# Allegro board reServer industrial J401 Carrier Board v11.brd (continued)
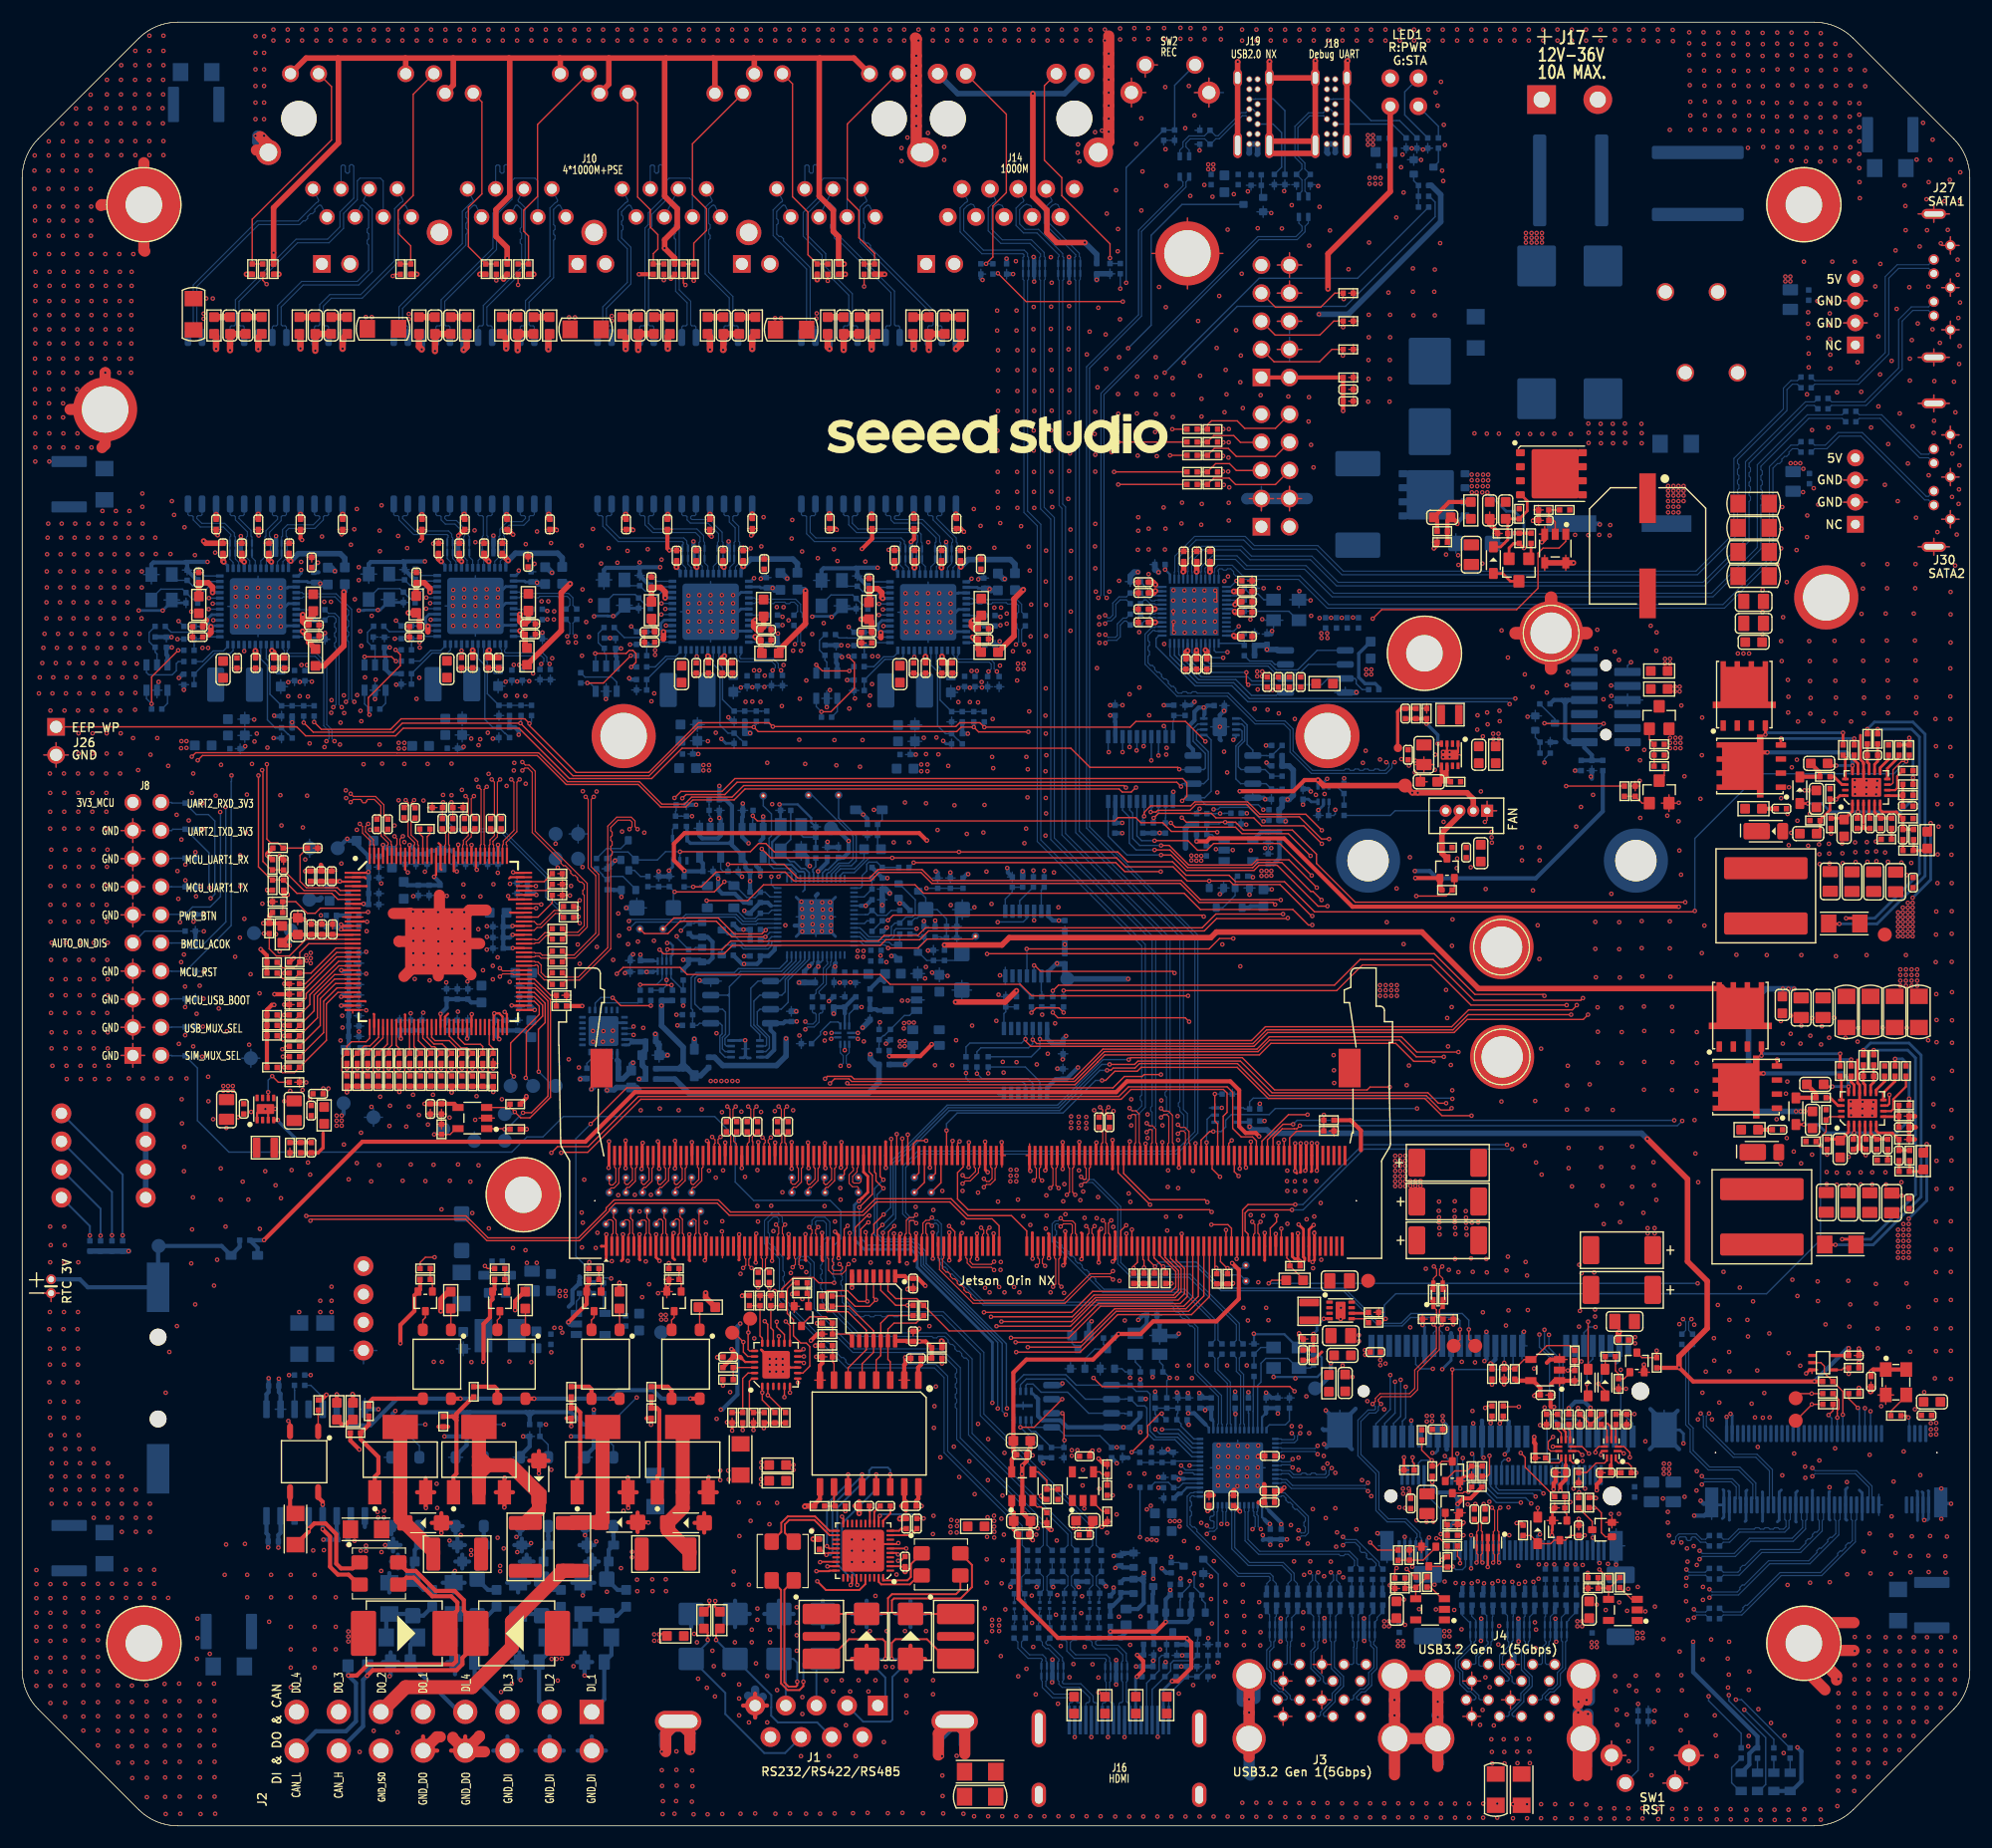
[diagram p0: board, top side]
## Routing (per net, layer and track width the routed paths; a pad name or vN(x,y) marks a point on that pad's centre or on a via; arc(x,y) is an arc through that point) (continued)
PCIE2_RX0_P: length 66
  TOP w0.107: J9.42 63.03,61.55 62.88,61.7 62.88,62.03 v1(63.11,62.26) ; v1(29.68,92.51) 29.93,92.76 30.59,92.76 30.7,92.65 30.7,92.57 30.81,92.46 31.02,92.46 31.13,92.57 31.13,92.65 31.23,92.76 31.82,92.76 32.41,92.17 32.41,91.34 C387.2
  LAY4 w0.084: v1(29.68,92.51) 29.95,92.77 30.15,92.77 30.27,92.66 30.27,92 29.47,91.21 29.47,89.67 33.03,86.12 33.03,76.21 34.59,74.65 45.99,74.65 46.67,73.97 46.67,68.82 47.11,68.37 47.11,68.19 47.33,67.98 47.51,67.98 47.73,67.76 47.73,67.58 47.94,67.37 48.12,67.37 48.34,67.15 48.34,66.97 48.55,66.76 48.73,66.76 48.95,66.54 48.95,66.36 49.16,66.15 49.34,66.15 53.16,62.33 60.57,62.33 61.62,61.29 62.6,61.29 62.85,61.54 62.85,62 v1(63.11,62.26)
PCIE2_TX0_N: length 60.3
  TOP w0.107: v1(63.72,65) 63.96,64.76 63.96,63.98 C405.2 ; U63.127 31.81,88.62 31.74,88.69 31.74,89.12 31.03,89.83 31.03,90.31 v1(31.27,90.55)
  LAY4 w0.084: v1(31.27,90.55) 31.01,90.29 31.01,89.68 34.26,86.44 34.26,80.3 34.38,80.17 34.38,79.87 34.26,79.74 34.26,79.44 34.38,79.31 34.38,79.01 34.26,78.88 34.26,78.57 34.38,78.45 34.38,78.14 34.26,78.02 34.26,77.71 34.38,77.58 34.38,77.28 34.26,77.15 34.26,76.74 35.3,75.69 46.78,75.69 47.69,74.78 47.69,69.67 53.64,63.73 59.96,63.73 60.09,63.86 60.4,63.86 60.52,63.73 60.93,63.73 61.05,63.86 61.36,63.86 61.49,63.73 61.87,63.73 61.99,63.86 62.3,63.86 62.43,63.73 62.73,63.73 62.86,63.86 63.16,63.86 63.29,63.73 63.59,63.73 63.98,64.12 63.98,64.74 v1(63.72,65)
PCIE2_TX0_P: length 60.2
  TOP w0.107: v1(64.48,65) 64.23,64.76 64.23,63.98 C404.2 ; U63.128 31.41,88.62 31.47,88.69 31.47,89.01 30.76,89.72 30.76,90.31 v1(30.52,90.55)
  LAY4 w0.084: v1(30.52,90.55) 30.78,90.29 30.78,89.59 34.02,86.34 34.02,76.64 35.2,75.46 46.68,75.46 47.46,74.68 47.46,69.58 53.54,63.49 63.69,63.49 64.22,64.02 64.22,64.74 v1(64.48,65)
PCIE3_CLK_N: length 86.7
  TOP w0.107: v1(111.15,54.59) 111.4,54.35 111.4,53.55 111.28,53.44 J9.227
  LAY4 w0.084: v1(111.15,54.59) 111.41,54.85 111.41,59.51 112.66,60.76 112.66,69.92 127.33,84.59 127.33,94.16 127.13,94.36 124.53,94.36 123.53,95.36 123.53,95.86 v1(123.27,96.12)
  BOTTOM w0.107: U76.14 102.4,107.96 102.33,108.03 102.18,108.03 101.74,107.59 101.74,107.11 101.87,106.99 101.87,106.68 101.74,106.56 101.74,106.25 101.87,106.12 101.87,105.82 101.74,105.69 101.74,105.08 101.95,104.87 102.13,104.87 102.35,104.65 102.35,104.47 102.57,104.26 102.75,104.26 102.96,104.04 102.96,103.86 103.18,103.65 103.36,103.65 103.57,103.43 103.57,103.25 103.85,102.97 104.03,102.97 104.25,102.75 104.25,102.57 104.46,102.36 104.77,102.36 104.89,102.49 105.2,102.49 105.33,102.36 105.63,102.36 105.76,102.49 106.06,102.49 106.19,102.36 109.01,102.36 111.52,99.85 114.12,99.85 114.84,99.12 114.84,97.14 116.61,95.38 119.45,95.38 119.58,95.5 119.88,95.5 120.01,95.38 120.31,95.38 120.44,95.5 120.74,95.5 120.87,95.38 121.18,95.38 121.3,95.5 121.61,95.5 121.73,95.38 122.12,95.38 122.24,95.5 122.55,95.5 122.67,95.38 123.16,95.38 123.51,95.73 123.51,96.01 123.41,96.12 v1(123.27,96.12)
PCIE3_CLK_P: length 86.8
  TOP w0.107: v1(111.91,54.59) 111.67,54.35 111.67,53.55 111.78,53.44 J9.229
  LAY4 w0.084: v1(124.03,96.12) 123.76,95.86 123.76,95.46 124.63,94.59 127.22,94.59 127.56,94.25 127.56,84.49 112.89,69.82 112.89,60.66 111.65,59.41 111.65,54.85 v1(111.91,54.59)
  BOTTOM w0.107: U76.15 102.4,108.36 102.33,108.3 102.07,108.3 101.47,107.7 101.47,104.97 104.35,102.09 108.9,102.09 111.41,99.58 114,99.58 114.57,99.01 114.57,97.03 116.49,95.11 123.27,95.11 123.78,95.62 123.78,96.01 123.89,96.12 v1(124.03,96.12)
PCIE3_CLKREQ: length 107.9
  TOP w0.127: J9.225 110.78,53.48 110.51,53.75 110.51,55.38 110.8,55.66 v1(114.75,55.66)
  LAY3 w0.127: v1(134.93,101.88) 134.92,101.87 134.92,89.01 130.43,84.52 130.43,66.18 134.64,61.97 v1(134.64,61.16)
  BOTTOM w0.127: v1(134.93,101.88) 110.9,101.88 109.48,103.3 106.17,103.3 103.72,105.75 U76.12 ; v1(114.75,55.66) 115.75,55.66 121.24,61.16 v1(134.64,61.16)
PCIE3_RST: length 108.5
  TOP w0.127: J9.223 110.28,55.66 110.77,56.15 v1(115.04,56.15)
  LAY3 w0.127: v1(134.41,101.37) 134.61,101.18 134.61,89.2 130.2,84.78 130.2,65.53 v1(134.18,61.55)
  BOTTOM w0.127: v1(134.41,101.37) 134.2,101.58 110.76,101.58 109.32,103.02 106.01,103.02 102.46,106.57 102.46,107.31 102.72,107.56 U76.13 ; v1(115.04,56.15) 115.73,56.15 121.13,61.55 v1(134.18,61.55)
PCIE3_RX0_N: length 80.5
  TOP w0.107: v1(66.9,62.21) 67.15,61.96 67.15,61.75 67.03,61.64 J9.58
  LAY4 w0.084: v1(97.86,108.64) 98.11,108.9 98.23,108.9 100.14,106.99 100.14,106.68 100.02,106.56 100.02,106.25 100.14,106.12 100.14,105.82 100.02,105.69 100.02,105.39 100.14,105.26 100.14,104.32 99.93,104.1 99.75,104.1 99.53,103.89 99.53,103.71 97.37,101.54 97.37,71.67 89.98,64.29 68.27,64.29 67.16,63.18 67.16,62.47 v1(66.9,62.21)
  BOTTOM w0.107: v1(97.86,108.64) 98.1,108.89 98.41,108.89 98.82,109.3 98.82,110.39 99.23,110.79 99.78,110.79 C557.1
PCIE3_RX0_P: length 80.6
  TOP w0.107: v1(67.66,62.21) 67.42,61.97 67.42,61.75 67.53,61.64 J9.60
  LAY4 w0.084: v1(97.86,109.4) 98.13,109.13 98.33,109.13 100.38,107.09 100.38,104.22 97.6,101.45 97.6,71.58 90.08,64.05 68.37,64.05 67.4,63.09 67.4,62.47 v1(67.66,62.21)
  BOTTOM w0.107: v1(97.86,109.4) 98.1,109.16 98.3,109.16 98.55,109.41 98.55,110.5 99.11,111.06 99.78,111.06 C558.1
PCIE3_TX0_N: length 73.7
  TOP w0.107: C407.2 68.6,63.99 68.6,64.76 v1(68.36,65.01)
  LAY4 w0.084: v1(68.36,65.01) 68.62,65.27 68.62,65.51 69.01,65.9 89.53,65.9 96.31,72.67 96.31,102.06 97.26,103.02 97.26,103.19 97.48,103.41 97.66,103.41 97.88,103.63 97.88,103.81 98.09,104.02 98.27,104.02 98.49,104.24 98.49,104.42 98.7,104.63 98.88,104.63 99.22,104.97 99.22,106.3 98.37,107.15 98.14,107.15 v1(97.88,106.89)
  BOTTOM w0.107: v1(97.88,106.89) 98.13,107.13 98.91,107.13 99.23,107.46 99.23,108.51 99.6,108.88 99.78,108.88 C555.1
PCIE3_TX0_P: length 73.7
  TOP w0.107: v1(69.11,65.01) 68.87,64.76 68.87,63.99 C406.2
  LAY4 w0.084: v1(69.11,65.01) 68.85,65.27 68.85,65.41 69.11,65.66 89.63,65.66 96.54,72.57 96.54,101.96 99.46,104.88 99.46,106.4 98.47,107.38 98.14,107.38 v1(97.88,107.64)
  BOTTOM w0.107: v1(97.88,107.64) 98.12,107.4 98.8,107.4 98.96,107.57 98.96,108.62 99.49,109.15 99.78,109.15 C556.1
PCIE_ETH_RESET: length 141.9
  TOP w0.127: v1(25.44,99.7) 26.31,98.83 33.55,98.83 34.36,99.65 v1(45.03,99.65) 49.78,94.9 56.66,94.9 61.06,99.29 v1(66.11,99.29) 66.52,98.88 84.45,98.88 84.86,99.29 v1(85.99,99.29) 86.43,98.86 v1(90.92,98.86) ; U51.13 69.38,45.2 v1(69,45.58)
  LAY3 w0.127: v1(90.92,98.86) 91.38,98.86 91.91,98.33 91.91,81.64 87.42,77.14 87.42,71.31 85.3,69.19 79.38,69.19 72.08,61.9 72.08,56.65 70.18,54.75 70.18,52.9 69.03,51.74 69.03,45.61 v1(69,45.58)
  BOTTOM w0.127: v1(66.11,99.29) 66.34,99.52 R573.1 ; v1(45.03,99.65) 45.08,99.7 R548.1 ; R597.1 v1(85.99,99.29) ; R211.1 25.44,100.29 v1(25.44,99.7)
PCIE_RX_N: length 121.4
  TOP w0.107: v1(97.4,64.94) 97.65,64.69 97.65,64.38 C143.2
  LAY4 w0.084: v1(29.26,101.58) 29.52,101.32 29.52,95.12 28.62,94.22 28.62,87.93 31.94,84.61 31.94,75.29 34.62,72.61 44.52,72.61 45.76,71.38 45.76,68 45.97,67.79 45.97,67.61 46.19,67.39 46.37,67.39 46.58,67.18 46.58,67 46.8,66.78 46.98,66.78 47.19,66.56 47.19,66.39 47.41,66.17 47.59,66.17 47.8,65.95 47.8,65.77 48.02,65.56 48.2,65.56 53.21,60.55 67.78,60.55 70.45,63.22 92.34,63.22 94.09,64.97 94.27,64.97 94.49,65.18 94.49,65.36 94.7,65.58 94.88,65.58 95.1,65.79 95.1,65.97 95.31,66.19 95.69,66.19 95.81,66.06 96.12,66.06 96.25,66.19 96.55,66.19 96.68,66.06 96.98,66.06 97.11,66.19 97.41,66.19 97.66,65.94 97.66,65.2 v1(97.4,64.94)
  BOTTOM w0.107: U38.17 25.3,110.95 25.41,111.07 28.27,111.07 29.51,109.83 29.51,109.45 29.38,109.32 29.38,109.02 29.51,108.89 29.51,108.44 29.38,108.31 29.38,108 29.51,107.88 29.51,107.57 29.38,107.44 29.38,107.14 29.51,107.01 29.51,101.82 v1(29.26,101.58)
PCIE_RX_N_31551787: length 6.6
  BOTTOM w0.107: U30.17 44.94,110.99 45.05,111.11 45.36,111.11 45.49,110.98 45.79,110.98 45.92,111.11 46.22,111.11 46.35,110.98 46.65,110.98 46.78,111.11 48.4,111.11 48.52,110.98 48.83,110.98 48.95,111.11 49.26,111.11 49.5,110.87 49.5,110.31 C291.2
PCIE_RX_N_31557154: length 5.9
  BOTTOM w0.107: C296.2 70.08,109.74 70.08,110.28 69.78,110.58 69.47,110.58 69.34,110.46 69.04,110.46 68.91,110.58 68.04,110.58 67.91,110.46 67.6,110.46 67.48,110.58 67.17,110.58 67.05,110.46 66.74,110.46 66.61,110.58 66.31,110.58 66.19,110.47 U48.17
PCIE_RX_N_31559784: length 6.3
  BOTTOM w0.107: U71.17 85.85,110.42 85.97,110.54 86.27,110.54 86.4,110.41 86.7,110.41 86.83,110.54 87.13,110.54 87.26,110.41 87.57,110.41 87.69,110.54 88.92,110.54 89.05,110.41 89.35,110.41 89.48,110.54 89.78,110.54 90.05,110.28 90.05,109.7 C493.2
PCIE_RX_P: length 121.6
  TOP w0.107: v1(98.16,64.94) 97.92,64.69 97.92,64.38 C144.2
  LAY4 w0.084: v1(30.02,101.58) 29.76,101.32 29.76,95.02 28.85,94.12 28.85,88.03 32.17,84.71 32.17,75.39 32.39,75.17 32.57,75.17 32.78,74.96 32.78,74.78 33,74.56 33.18,74.56 33.4,74.35 33.4,74.17 33.68,73.89 33.86,73.89 34.07,73.67 34.07,73.49 34.71,72.85 35.27,72.85 35.4,72.98 35.7,72.98 35.83,72.85 44.62,72.85 45.99,71.48 45.99,68.1 53.31,60.78 53.61,60.78 53.74,60.91 54.04,60.91 54.17,60.78 54.47,60.78 54.6,60.91 54.91,60.91 55.03,60.78 55.34,60.78 55.47,60.91 55.77,60.91 55.9,60.78 56.2,60.78 56.33,60.91 56.63,60.91 56.76,60.78 67.68,60.78 70.35,63.45 92.24,63.45 95.22,66.42 97.51,66.42 97.9,66.04 97.9,65.2 v1(98.16,64.94)
  BOTTOM w0.107: U38.16 25.3,111.45 25.41,111.34 28.38,111.34 29.77,109.94 29.77,101.82 v1(30.02,101.58)
PCIE_RX_P_31551788: length 6.7
  BOTTOM w0.107: U30.16 44.94,111.49 45.05,111.38 49.37,111.38 49.77,110.98 49.77,110.31 C290.2
PCIE_RX_P_31557155: length 6
  BOTTOM w0.107: U48.16 66.19,110.97 66.31,110.85 69.89,110.85 70.34,110.4 70.34,109.74 C232.2
PCIE_RX_P_31559785: length 6.4
  BOTTOM w0.107: C492.2 90.31,109.7 90.31,110.39 89.9,110.81 85.97,110.81 85.85,110.92 U71.16
PCIE_SX1261_BUSY_1V8: length 85
  TOP w0.127: v1(147.7,42.95) R287.2 146.37,42.32 Q48.3 ; J9.124 v1(83.53,62.84) ; v1(97.58,67.36) 97.91,67.36 98.75,68.2 100.77,68.2 101.12,68.55 109.79,68.55 112.61,65.73 126.75,65.73 128.3,64.18 v1(130.97,64.18)
  LAY3 w0.127: v1(147.7,42.95) 147.7,47.33 130.97,64.06 v1(130.97,64.18)
  BOTTOM w0.127: v1(97.58,67.36) 96.99,67.36 94.05,64.42 84.49,64.42 83.53,63.46 v1(83.53,62.84)
PCIE_SX1261_RST_3V3: length 127.6
  TOP w0.127: v1(73,67.09) 73.41,67.51 74.72,67.51 74.96,67.27 95.09,67.27 97.79,69.97 111.68,69.97 112.72,71.01 124.46,71.01 125.98,69.5 v1(128.47,69.5) ; D69.2 v1(141.5,45.56) ; U51.6 v1(69.38,39.15)
  LAY3 w0.127: v1(73,67.09) 73,66.07 69.03,62.1 69.03,60.09 65.83,56.9 65.83,52.96 63.7,50.83 63.7,42.83 64.12,42.41 65.14,42.41 68.4,39.15 v1(69.38,39.15) ; v1(128.47,69.5) 128.54,69.42 128.54,66.2 128.28,65.94 128.28,64.04 141.5,50.82 v1(141.5,45.56)
PCIE_TX_N: length 1.7
  BOTTOM w0.107: U38.21 24.78,108.97 C165.2
PCIE_TX_N_31551786: length 1.7
  BOTTOM w0.107: U30.21 44.42,109.01 C133.2
PCIE_TX_N_31557153: length 1.7
  BOTTOM w0.107: U48.21 65.68,108.48 C231.2
PCIE_TX_N_31559783: length 1.7
  BOTTOM w0.107: C491.2 85.33,108.44 U71.21
PCIE_TX_P: length 1.7
  BOTTOM w0.107: C166.2 24.81,109.9 U38.19
PCIE_TX_P_31551785: length 1.7
  BOTTOM w0.107: C115.2 44.46,109.95 U30.19
PCIE_TX_P_31557152: length 1.7
  BOTTOM w0.107: U48.19 65.71,109.42 C230.2
PCIE_TX_P_31559782: length 1.7
  BOTTOM w0.107: U71.19 85.37,109.38 C490.2
PCIE_USIM_CLK: length 15.6
  TOP w0.127: U46.1 144.46,33.87 144.67,33.66 v1(144.72,33.66)
  LAY3 w0.127: v1(142.17,45.08) 142.17,41.67 143.07,40.77 143.07,35.31 v1(144.72,33.66)
  BOTTOM w0.127: v1(142.17,45.08) 141.63,45.08 141.12,44.57 J5.12
PCIE_USIM_DATA: length 12.4
  TOP w0.127: v1(142.67,33.52) 142.62,33.57 142.62,33.75 142.75,33.87 U46.7 ; D69.1 141.39,38.97 v1(141.39,39.93)
  LAY3 w0.127: v1(142.67,33.52) 142.67,38.65 v1(141.39,39.93)
  BOTTOM w0.127: J5.10 141.92,42.19 141.39,41.66 v1(141.39,39.93)
PCIE_USIM_PWR: length 15.4
  TOP w0.127: v1(140.97,33.52) 140.62,33.87 U45.1 ; D70.1 143.03,39.35 v1(142.43,39.95)
  LAY3 w0.127: v1(140.97,33.52) 140.97,33.92 142.18,35.13 142.18,38.33 140.99,39.52 140.99,40.26 141.11,40.39 141.99,40.39 v1(142.43,39.95)
  BOTTOM w0.127: v1(142.43,39.95) 142.72,40.25 J5.8
PCIE_USIM_RST: length 13.2
  TOP w0.127: v1(138.33,35.15) 137.9,34.72 137.9,34.08 138.11,33.87 U45.7
  LAY3 w0.127: v1(138.33,35.15) 140.11,35.15 141.04,36.07 141.04,38.84 140.61,39.27 140.61,41.68 v1(140.9,41.98)
  BOTTOM w0.127: J5.14 140.32,42.55 v1(140.9,41.98)
PCIE_WAKE: length 238.3
  TOP w0.127: J9.179 99.28,53.78 v1(99.77,54.27)
  LAY3 w0.127: v1(99.12,112.51) 99.12,106.54 103.93,101.73 103.93,96.52 101.82,94.41 99.71,94.41 99.03,93.73 99.03,55.01 v1(99.77,54.27)
  LAY4 w0.127: v1(99.77,54.27) 99.28,53.78 99.28,53.22 100.48,52.02 152.65,52.02 163.77,40.9 163.77,39.83 165.19,38.41 165.19,37.57 165.57,37.19 166.74,37.19 v1(167.02,37.47) ; v1(17.22,110.45) 17.22,110.58 19.6,112.96 28.8,112.96 31.26,110.49 v1(36.87,110.49) 36.94,110.43 36.94,110.61 39.36,113.03 47.11,113.03 50.17,109.97 v1(58.12,109.97) 58.12,110.07 60.4,112.36 65.95,112.36 67.23,111.08 69.92,111.08 71.07,109.92 v1(77.78,109.92) 77.78,109.95 78.48,110.64 78.48,111.5 79.29,112.32 85.87,112.32 86.89,111.31 94.3,111.31 95.34,112.35 98.96,112.35 v1(99.12,112.51)
  BOTTOM w0.127: U71.43 v1(77.78,109.92) ; U38.43 v1(17.22,110.45) ; J21.54 v1(167.02,37.47) ; U30.43 v1(36.87,110.49) ; U48.43 v1(58.12,109.97)
PCIE_WAKE_3V3: length 137.8
  TOP w0.127: v1(129.79,69.93) 126.02,69.93 124.64,71.31 112.7,71.31 111.58,70.2 97.66,70.2 94.97,67.5 75.17,67.5 74.93,67.73 72.77,67.73 v1(72.55,67.52) ; U51.5 v1(68.88,38.74)
  LAY3 w0.127: v1(129.79,69.93) 129.79,66.16 129.82,66.13 129.82,64.77 130.81,63.78 130.82,63.78 144.8,49.81 144.8,41.57 v1(144.45,41.22) ; v1(68.88,38.74) 68.4,38.74 65.02,42.12 63.99,42.12 63.41,42.7 63.41,50.95 65.54,53.08 65.54,57.02 68.73,60.21 68.73,62.23 72.55,66.05 v1(72.55,67.52)
  BOTTOM w0.127: v1(144.45,41.22) 144.45,37.46 145.52,36.39 J5.1
PGOOD: length 6.4
  TOP w0.127: J25.5 109.72,122.48 109.1,123.1 107.85,123.1 D78.2 R448.1
PL_512B: length 6.6
  TOP w0.127: U63.53 39.41,71.22 39.99,70.63 41.42,70.63 41.62,70.43 R482.1 41.16,69.36 41.16,68.23 R481.2
POWER_EN: length 86.3
  TOP w0.127: v1(63.78,86.89) 68.85,86.89 70.1,85.65 76.57,85.65 77.33,86.41 81.32,86.41 82.31,85.42 104.74,85.42 106.47,83.7 113.71,83.7 v1(113.73,83.67) ; v1(113.78,53.97) J9.237
  LAY3 w0.127: v1(113.73,83.67) 113.73,83.09 113.03,82.38 113.03,61.49 113.78,60.74 v1(113.78,53.97)
  BOTTOM w0.127: v1(63.78,86.89) R113.1 63.34,86.26 63.13,86.48 U19.4
PRSNT1: length 6
  TOP w0.127: R460.1 25.59,76.09 28.42,78.93 U63.19
PRSNT2: length 6.2
  TOP w0.127: R461.1 28.44,78.53 U63.20
PRSNT3: length 6.7
  TOP w0.127: U63.21 28.59,78.13 25.67,75.2 25.67,74.82 R462.1
PSE_INTB: length 117.9
  TOP w0.127: v1(99.06,125.05) 105.25,125.05 R447.2 ; R413.2 67.42,38.92 v1(67.38,38.92) U51.2
  LAY3 w0.127: v1(99.06,125.05) 99.06,122.04 95.72,118.7 95.72,107.34 89.43,101.04 89.43,81.61 86.33,78.51 86.33,73.84 85.51,73.03 79.54,73.03 77.51,71 77.51,70.03 75.56,68.07 72.5,68.07 72.03,67.6 72.03,65.93 68.44,62.35 68.44,60.34 65.25,57.14 65.25,53.2 63.12,51.07 63.12,42.57 63.86,41.82 64.86,41.82 67.38,39.29 v1(67.38,38.92)
PSE_NEG0: length 5.1
  TOP w0.584: v1(21.34,133.45) 21.34,134.51 R479.1 ; v1(28.96,133.49) 28.96,134.41 R538.1
  BOTTOM w0.584: T1.18 v1(21.34,133.45) ; T1.24 v1(28.96,133.49)
PSE_NEG1: length 5.2
  TOP w0.584: v1(39.9,133.38) 40.17,133.66 R543.1 ; v1(47.55,133.44) 47.55,134.71 R545.1
  BOTTOM w0.584: T2.18 39.9,134.47 v1(39.9,133.38) ; T2.24 v1(47.55,133.44)
PSE_NEG2: length 4.9
  TOP w0.584: v1(58.35,133.49) 58.35,134.63 R570.1 ; v1(65.97,133.46) 65.97,134.54 R568.1
  BOTTOM w0.584: T3.18 v1(58.35,133.49) ; T3.24 v1(65.97,133.46)
PSE_NEG3: length 5.2
  TOP w0.584: v1(76.76,133.44) 76.76,134.48 R594.1 ; R592.1 84.82,133.91 v1(84.38,133.47)
  BOTTOM w0.584: T4.24 v1(84.38,133.47) ; T4.18 v1(76.76,133.44)
PSE_PG: length 116.7
  TOP w0.127: v1(98.67,122.35) R448.2 ; R412.2 66.88,38.49 v1(66.88,39.16) U51.1
  LAY3 w0.127: v1(98.67,122.35) 95.33,119.02 95.33,107.51 88.59,100.76 88.59,81.39 86.02,78.83 86.02,74.18 85.25,73.41 79.46,73.41 75.52,69.47 70.44,69.47 67.61,66.64 67.61,63.88 64.25,60.51 64.25,52.53 62.43,50.7 62.43,42.1 63.29,41.23 64.81,41.23 v1(66.88,39.16)
PSE_POS0: length 4.8
  TOP w0.584: R480.1 25.15,134.72 v1(25.15,133.52) ; v1(17.53,133.47) 17.53,134.64 R214.1
  BOTTOM w0.584: T1.15 v1(17.53,133.47) ; T1.21 v1(25.15,133.52)
PSE_POS1: length 5
  TOP w0.584: v1(43.74,133.52) 43.74,134.42 R544.1 ; v1(36.11,133.43) 35.86,133.68 R542.1
  BOTTOM w0.584: T2.15 36.11,134.49 v1(36.11,133.43) ; T2.21 v1(43.74,133.52)
PSE_POS2: length 5.1
  TOP w0.584: v1(62.16,133.41) 62.16,134.6 R567.1 ; v1(54.54,133.46) 54.54,134.51 R569.1
  BOTTOM w0.584: T3.15 v1(54.54,133.46) ; T3.21 v1(62.16,133.41)
PSE_POS3: length 4.9
  TOP w0.584: R591.1 80.57,134.75 v1(80.57,133.46) ; v1(72.95,133.48) 72.79,133.64 R593.1
  BOTTOM w0.584: T4.21 v1(80.57,133.46) ; T4.15 v1(72.95,133.48)
PSE_PWR_EN: length 100.6
  TOP w0.127: v1(99.04,121.21) 99.06,121.23 R446.1 ; U51.17 67.38,45.32 v1(67.1,45.61)
  LAY3 w0.127: v1(67.1,45.61) 67.1,45.67 68.42,46.99 68.42,51.92 69.71,53.22 69.71,55.01 71.56,56.86 71.56,62.11 79.16,69.71 85.08,69.71 86.9,71.53 86.9,77.82 89.73,80.65 89.73,100.76 96.09,107.13 96.09,118.26 v1(99.04,121.21)
PWR_BTN*: length 146.6
  TOP w0.127: v1(61.86,83.62) 65.57,83.62 67,85.04 80.69,85.04 81.45,84.28 105,84.28 106.47,82.81 114.83,82.81 116.22,81.41 v1(116.58,81.41) ; J9.240 114.53,62.17 115.13,62.77 117.57,62.77 D42.2 R201.2 117.61,64.24 v1(117.62,64.25)
  LAY3 w0.127: v1(117.62,64.25) 117.62,64.76 119.16,66.3 119.16,70.25 116.58,72.82 v1(116.58,81.41) ; v1(61.86,83.62) 61.86,88.28 58.39,91.75 19.04,91.75 18.91,91.62 v1(17.9,91.62)
  BOTTOM w0.127: D25.2 12.59,82.37 J8.12 ; D25.2 15.4,83.04 16.98,83.04 17.92,83.97 17.92,91.59 v1(17.9,91.62) ; D25.2 14.74,82.37 ; v1(61.86,83.62) 61.91,83.56 D31.2
PWR_LED_CTRL: length 127.1
  TOP w0.127: v1(83.76,54.21) 84.28,53.69 J9.127
  LAY3 w0.127: v1(83.76,54.21) 83.76,61.69 83.71,61.74 83.71,62.14 85.06,63.5 93.08,63.5 97.48,67.9 97.48,94.21 98.54,95.28 100.3,95.28 103.65,98.63 103.65,101.62 98.72,106.55 98.72,118.86 103.24,123.38 v1(103.24,131.32)
  BOTTOM w0.127: v1(103.24,131.32) 111.78,139.85 120.67,139.85 R4.1
PWR_SAV: length 12
  TOP w0.127: U63.28 28.53,75.33 27.5,74.29 27.5,70.99 R474.1 24.58,68.07 23.52,68.07 R473.2
QSPI_CSN: length 20.7
  BOTTOM w0.127: U23.56 69.12,78.16 68.43,77.47 64.73,77.47 64.37,77.11 60.92,77.11 60.46,76.66 60.46,73.88 60.59,73.74 R169.1 60.59,72.79 60.58,72.78 60.58,72.34 R175.2 61.03,72.34 61.22,72.53 U28.1 63.06,72.53 63.25,72.34 63.25,71.58 63.05,71.37 63.05,69.94 63.52,69.47 U27.1
QSPI_SCLK: length 12.3
  BOTTOM w0.127: U27.6 67.17,70.47 67.27,70.56 67.27,71.23 66.12,72.37 66.12,74.53 66.66,75.07 U28.6 68.65,75.07 68.95,75.37 68.95,76.48 70.72,78.25 U23.52
QSPI_SD0: length 11.1
  BOTTOM w0.127: U23.53 70.32,78.19 68.47,76.34 U28.5 66.49,76.34 65.84,75.69 65.84,72.31 66.66,71.49 U27.5
QSPI_SD1: length 19.7
  BOTTOM w0.127: U27.2 63.52,69.97 63.28,70.21 63.28,71.25 63.56,71.53 63.56,73.53 63.29,73.8 U28.2 61.26,73.8 60.79,74.27 60.79,76.58 61.04,76.83 64.52,76.83 64.9,77.21 68.61,77.21 69.52,78.12 U23.55
QSPI_SD2: length 15.6
  BOTTOM w0.127: 63.76,75.07 63.91,75.22 ; 63.76,75.07 U28.3 ; 63.76,75.07 63.91,74.92 ; 63.76,75.07 63.9,75.07 63.91,75.06 ; 63.91,75.22 63.91,75.84 64.98,76.91 68.67,76.91 69.92,78.16 U23.54 ; 63.91,75.22 63.91,75.06 ; 63.91,74.92 63.91,71.55 63.51,71.14 63.51,70.61 63.65,70.47 U27.3 ; 63.91,74.92 63.91,75.06
QSPI_SD3: length 12.9
  BOTTOM w0.127: U27.7 67.2,69.97 67.52,70.28 67.52,71.3 66.43,72.39 66.43,73.56 66.66,73.8 U28.7 68.59,73.8 69.22,74.42 69.22,76.42 71.12,78.32 U23.51
RP2040_XIN: length 8
  BOTTOM w0.152: U23.20 71.12,86.14 70.75,86.51 70.39,86.51 69.75,87.15 69.39,87.15 68.55,87.99 X2.3 68.55,88.24 69.45,89.15 C73.1
RP2040_XOUT: length 2
  BOTTOM w0.152: U23.21 71.52,86.15 71.46,86.21 71.46,86.44 71.71,86.69 R107.2
RS232_CTS: length 18.7
  TOP w0.178: v1(61.95,16.8) 61.95,17.48 R279.2
  BOTTOM w0.178: J1.8 68.94,6.58 67.07,6.58 63.54,10.11 63.54,12.01 D4.2 61.95,16.58 v1(61.95,16.8)
RS232_CTSN: length 21.1
  TOP w0.178: v1(62.1,20.34) 62.1,19.85 R279.1 ; v1(74.09,27.94) 74.09,27.88 74.2,27.76 U42.20
  LAY4 w0.178: v1(74.09,27.94) 74.09,21.17 73.91,21 62.53,21 62.1,20.56 v1(62.1,20.34)
RS232_RTS: length 16.4
  TOP w0.178: v1(62.71,16.8) 62.71,17.49 R278.2
  BOTTOM w0.178: J1.7 71.84,9.35 68.29,9.35 67.68,9.96 67.68,10.7 67.69,10.71 67.69,11.82 D5.2 64.41,15.09 v1(62.71,16.8)
RS232_RTSN: length 20.9
  TOP w0.178: v1(79.15,24.53) 79.01,24.66 U42.5 ; v1(62.63,20.32) 62.63,19.77 R278.1
  LAY4 w0.178: v1(62.63,20.32) 62.89,20.59 75.78,20.59 77.87,22.68 77.87,24.01 78.39,24.53 v1(79.15,24.53)
RS232_RXD/422_TX(A): length 6.5
  TOP w0.127: 80.31,23.65 80.31,22.67 80.31,22.49
  TOP w0.178: U42.40 77.8,22.31 77.93,22.19 80,22.19 80.31,22.49 80.31,23.65 L26.1
RS232_RXD/422_TX+: length 18.1
  TOP w0.178: L26.4 85.83,23.58 85.83,21.57 84.8,20.55 78.77,20.55 78.59,20.37 78.59,19.34 78.78,19.15 D8.2 80.28,19.15 TBU1.1
RS232_TXD/422_RX(A): length 7.8
  TOP w0.178: U42.21 72.95,26.66 71.65,27.97 69.18,27.97 68.6,27.38 68.6,26.55 L28.2
RS232_TXD/422_RX+: length 20.5
  TOP w0.178: L28.3 68.57,21.33 68.57,12.87 69.17,12.27 70.25,12.27 70.59,12.62 v1(70.59,13.03)
  BOTTOM w0.178: J1.3 71.77,14.52 D7.2 71.01,15.09 70.59,14.67 v1(70.59,13.03)
RUN: length 4.5
  BOTTOM w0.127: U23.26 73.52,86.06 73.95,86.49 75.22,86.49 76.08,87.35 FB3.2
RXPOLINV_DIS: length 9.9
  TOP w0.127: U63.24 28.23,76.93 26.38,75.08 26.38,73.65 R470.1 24.62,71.89 23.49,71.89 R469.2
S_RXN0: length 19.8
  BOTTOM w0.102: J27.R- 172.27,140.75 169.56,140.75 168.67,139.86 168.67,132.99 165.96,130.28 161.98,130.28 C563.2
S_RXN1: length 8.8
  BOTTOM w0.102: C572.2 166.01,127.19 167.9,127.19 171.46,123.63 172.27,123.63 J30.R-
S_RXP0: length 19.8
  BOTTOM w0.102: J27.R+ 172.27,141.08 169.43,141.08 168.35,140 168.35,133.13 165.82,130.6 161.98,130.6 C564.2
S_RXP1: length 8.8
  BOTTOM w0.102: J30.R+ 172.27,123.96 171.59,123.96 168.03,127.52 166.01,127.52 C573.2
S_TXN0: length 16
  BOTTOM w0.102: C562.2 163.2,128.99 163.51,128.69 166.5,128.69 169.56,131.75 169.56,136.12 170.71,137.27 172.27,137.27 J27.T-
S_TXN1: length 14.3
  BOTTOM w0.102: C571.2 161.97,124.78 162.94,124.78 164.08,125.91 166.29,125.91 172.05,120.15 172.27,120.15 J30.T-
S_TXP0: length 16
  BOTTOM w0.102: J27.T+ 172.27,136.94 170.84,136.94 169.89,135.99 169.89,131.62 166.63,128.36 163.49,128.36 C561.2
S_TXP1: length 14.3
  BOTTOM w0.102: J30.T+ 172.27,119.82 171.92,119.82 166.15,125.59 164.21,125.59 163.08,124.45 161.97,124.45 C570.2
SATA_1V25: length 17.4
  TOP w0.381: v1(102.41,112.16) 102.42,112.15 ; v1(109.49,111.56) 109.48,111.56
  TOP w0.508: v1(109.49,111.56) 109.5,111.55 C536.1 ; v1(106.92,106.26) 107.05,106.13 C537.1 ; v1(102.41,111.6) 102.23,111.42 C544.1 ; C540.1 102.33,109.95 v1(102.36,109.98) ; v1(106.12,113.33) 106.15,113.35 C543.1 ; C534.1 105.17,106.04 v1(105.32,106.19) ; C539.1 102.38,108.77 v1(102.39,108.76) ; v1(107.32,113.33) 107.34,113.35 C538.1 ; v1(104.92,113.33) 104.97,113.38 C542.1 ; v1(102.41,112.16) 102.18,112.39 C545.1 ; v1(109.55,109.75) 109.63,109.67 C541.1
  BOTTOM w0.203: U76.24 102.61,111.96 v1(102.41,112.16) ; v1(106.92,106.26) 106.92,106.26 U76.4 ; U76.25 103.72,113.09 v1(103.28,113.53) ; U76.16 v1(102.39,108.76) ; U76.19 102.37,109.96 v1(102.36,109.98) ; v1(102.41,111.6) 102.45,111.56 U76.23 ; U76.38 v1(109.49,111.56) ; v1(109.55,109.75) 109.33,109.96 U76.42 ; U76.8 v1(105.32,106.19) ; U76.28 v1(104.92,113.33) ; U76.34 v1(107.32,113.33) ; U76.31 v1(106.12,113.33)
  BOTTOM w0.381: C535.1 v1(103.28,113.53)
  vias: v1(111.6,104.32) v1(111.6,103.89) v1(112.06,104.32) v1(112.03,103.89)
SATA_3V3: length 14.7
  TOP w0.381: v1(109.49,107.57) 109.48,107.56
  TOP w0.508: v1(109.49,107.57) 109.57,107.48 C550.1 ; v1(109.6,110.36) 109.86,110.62 C551.1 ; C552.1 v1(106.12,106.24)
  BOTTOM w0.203: U76.48 109.48,107.56 v1(109.49,107.57) ; U76.6 v1(106.12,106.24) ; U76.41 v1(109.6,110.36)
  BOTTOM w0.305: FB33.2 120.78,105.94 120.78,103.79 121.35,103.22 122.26,103.22 122.6,102.88 R452.1
  BOTTOM w0.508: R453.1 R608.2 112.39,106.68 C553.1 v1(112.49,106.31) 113.37,106.31 113.46,106.23 U75.8
  vias: v1(117.39,107.77) v1(117.42,107.34) v1(117.92,107.77) v1(117.95,107.34)
SATA_PWREN1: length 48.3
  TOP w0.127: R619.1 v1(139.51,93.96)
  LAY3 w0.127: v1(133.68,108.03) 133.68,107.27 139.46,101.5 139.46,94.82 139.51,94.77 v1(139.51,93.96)
  LAY4 w0.127: v1(109.93,108.4) 123.24,108.4 124.89,110.06 131.65,110.06 v1(133.68,108.03)
  BOTTOM w0.127: v1(109.93,108.4) 109.49,107.96 U76.47
SATA_RXN0: length 72.9
  BOTTOM w0.102: C563.1 160.42,130.28 159.96,130.28 159.47,129.79 159.47,127.91 155,123.44 155,123.13 155.13,123.01 155.13,122.7 155,122.58 155,122.15 155.13,122.02 155.13,121.72 155,121.59 155,121.29 155.13,121.16 155.13,120.86 155,120.73 155,120.42 155.13,120.3 155.13,119.99 155,119.87 155,116.68 151.38,113.06 119.25,113.06 116.95,115.37 111.22,115.37 110.39,116.2 106.08,116.2 104.48,114.6 104.48,113.34 104.52,113.31 U76.27
